# KiCad board SparkFun_GNSS_HAT+_panelized.kicad_pcb (continued)
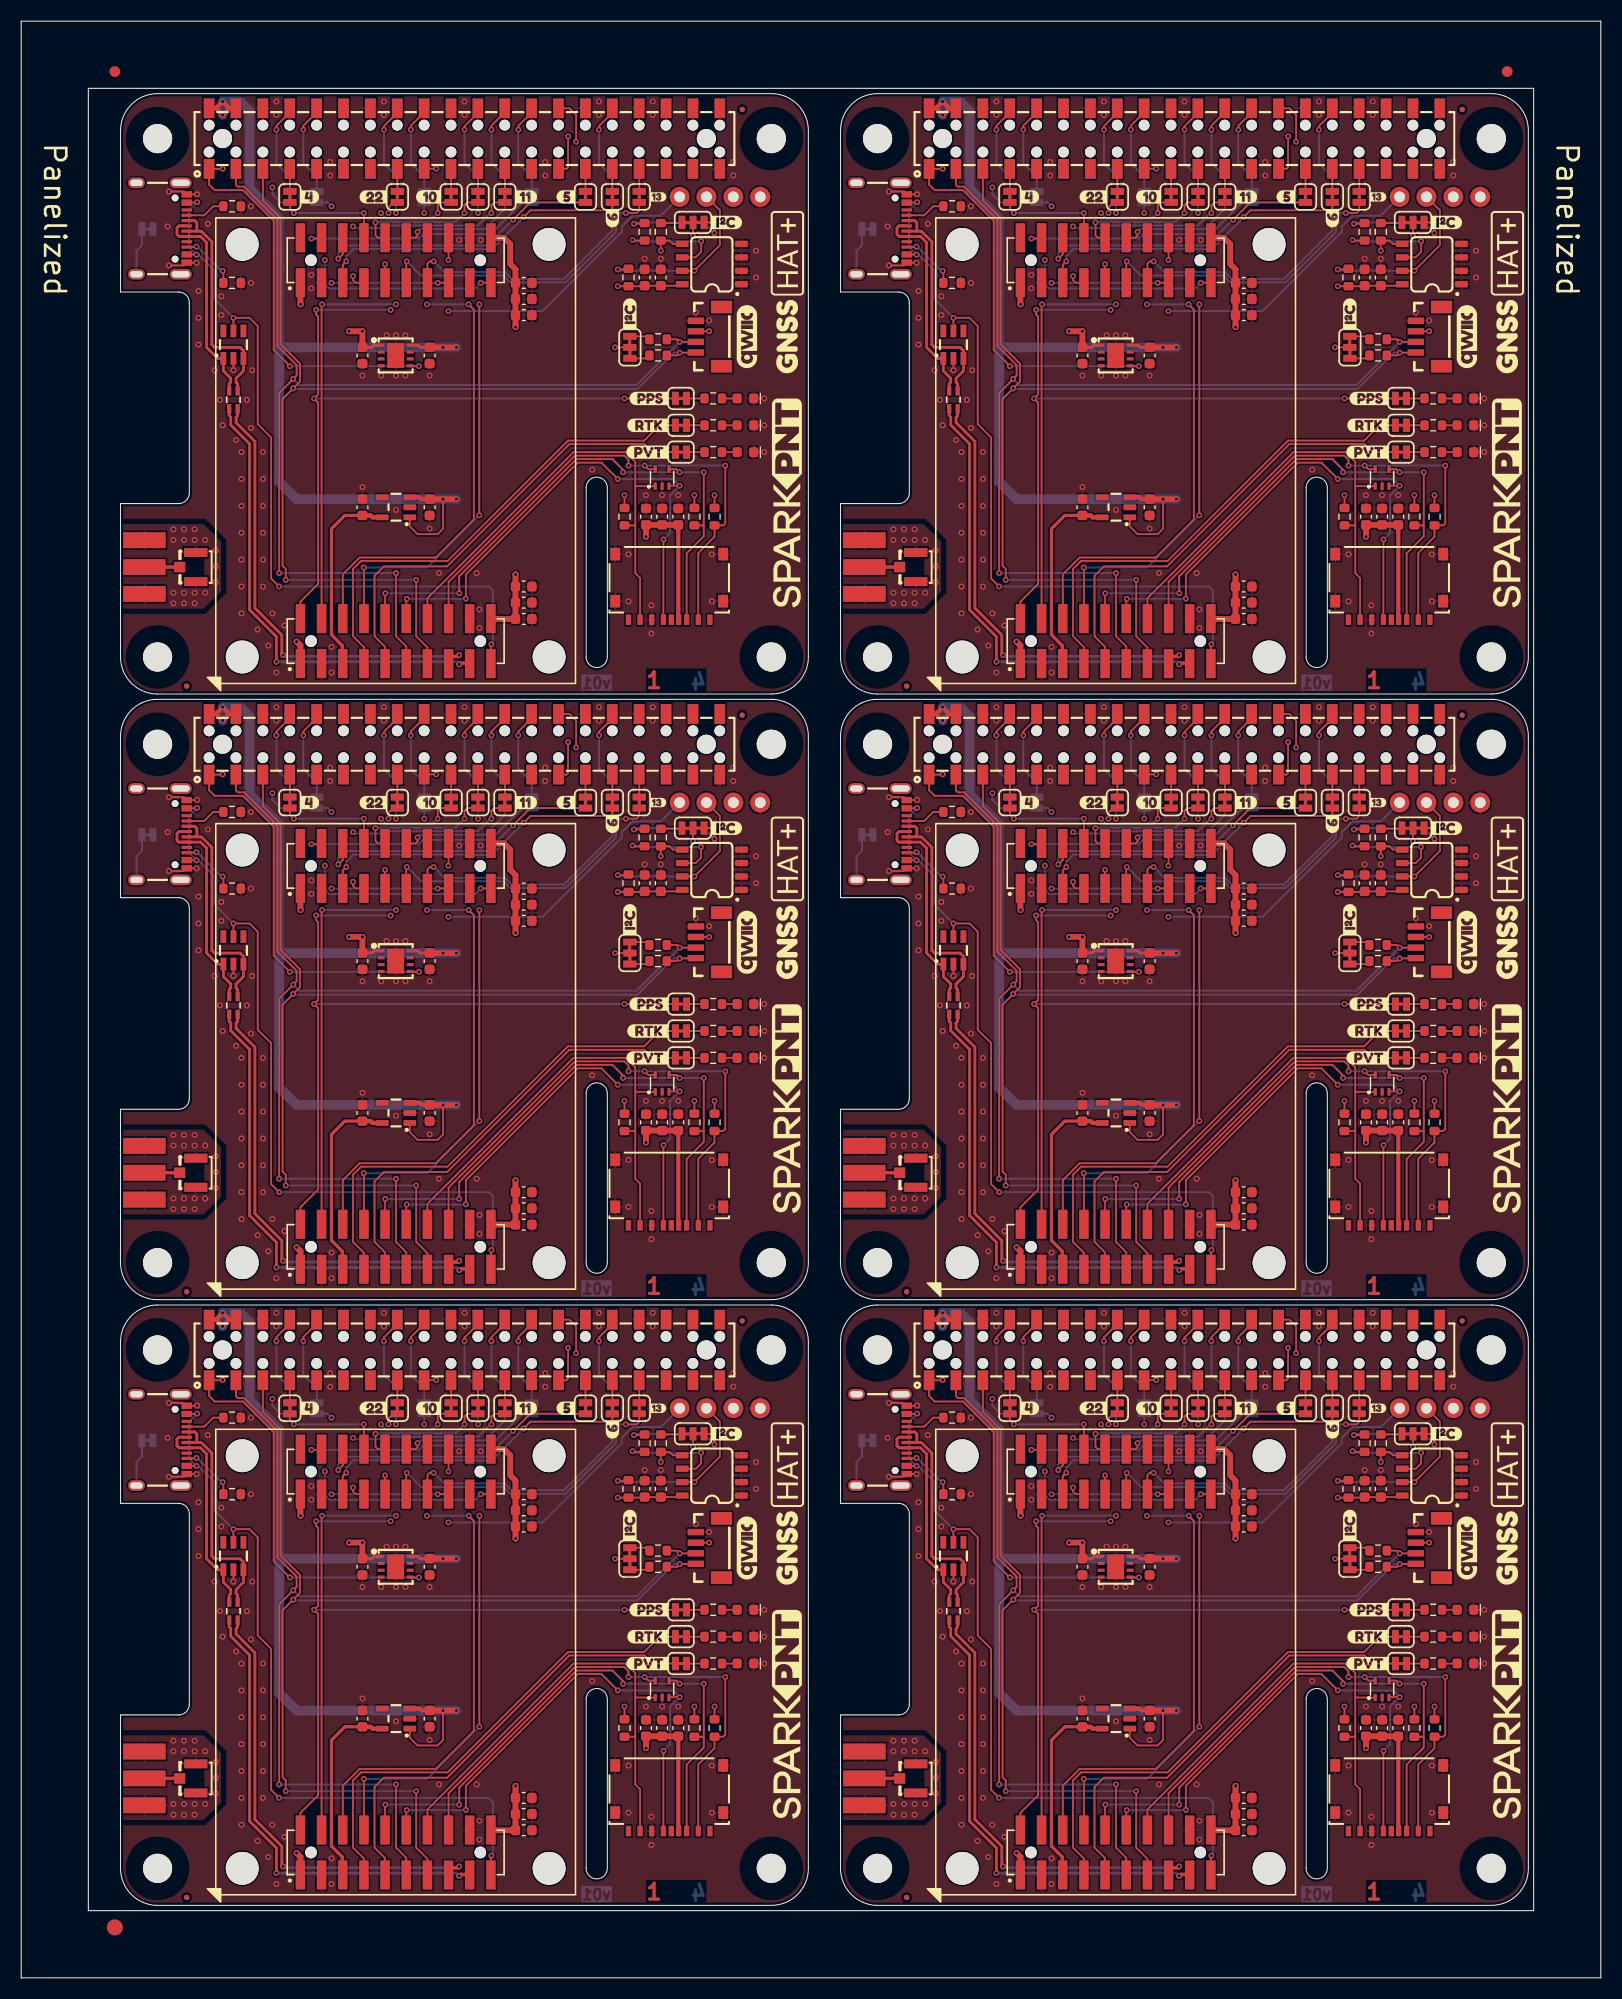
[diagram p0: board, top side]
## Library data of the parts (continued)
JP3 JP3#2 JP3#4-JP3#6 JP4 JP4#2-JP4#4 JP4#6 JP5 JP5#2-JP5#5 JP6 JP6#2-JP6#5 JP7 JP7#2-JP7#5 JP8 JP8#2-JP8#5 JP9 JP9#2-JP9#5 JP10 JP10#2 JP10#3 JP10#5 JP10#6 JP11 JP11#3-JP11#6 JP12 JP12#3-JP12#6 JP13 JP13#3-JP13#6 JP14 JP14#2-JP14#4 JP14#6 JP15 JP15#2 JP15#4-JP15#6 JP16 JP16#2 JP16#4-JP16#6 JP17 JP17#3-JP17#6 JP18 JP18#2 JP18#3 JP18#5 JP18#6 JP19 JP19#2 JP19#4-JP19#6 JP20 JP20#2 JP20#3 JP20#5 JP20#6 JP21 JP21#3-JP21#6 JP22 JP22#3-JP22#6 = -: Description: Solder Jumper, 2-pole, closed/bridged
JP3#3 JP4#5 JP5#6 JP6#6 JP7#6 JP8#6 JP9#6 JP10#4 JP11#2 JP12#2 JP13#2 JP14#5 JP15#3 JP16#3 JP17#2 JP18#4 JP19#3 JP20#4 JP21#2 JP22#2 = -: Description: Solder Jumper, 2-pole, closed/bridged; ki_fp_filters: SolderJumper*Bridged*
R1 R1#2 R1#3 R1#5 R1#6 R2 R2#2-R2#4 R2#6 R4#2-R4#6 R5 R5#3-R5#6 = -: Datasheet: https://www.vishay.com/docs/20035/dcrcwe3.pdf; Description: Resistor; PROD_ID: RES-08417
R1#4 R2#5 R4 R5#2 = -: Datasheet: https://www.vishay.com/docs/20035/dcrcwe3.pdf; Description: Resistor; PROD_ID: RES-08417; ki_fp_filters: R_*
R3 R3#2-R3#5 = -: Datasheet: https://www.vishay.com/docs/20035/dcrcwe3.pdf; Description: Resistor; PROD_ID: RES-07856
R3#6 = -: Datasheet: https://www.vishay.com/docs/20035/dcrcwe3.pdf; Description: Resistor; PROD_ID: RES-07856; ki_fp_filters: R_*
R6 R7#4 R8 = -: Datasheet: https://www.vishay.com/docs/20035/dcrcwe3.pdf; Description: Resistor; PROD_ID: RES-00824; ki_fp_filters: R_*
R6#2-R6#6 R7 R7#2 R7#3 R7#5 R7#6 R8#2-R8#6 = -: Datasheet: https://www.vishay.com/docs/20035/dcrcwe3.pdf; Description: Resistor; PROD_ID: RES-00824
R9 R9#2 R9#3 R9#5 R9#6 R10 R10#2-R10#5 = -: Datasheet: https://www.vishay.com/docs/20035/dcrcwe3.pdf; Description: Resistor; PROD_ID: RES-12083
R9#4 R10#6 = -: Datasheet: https://www.vishay.com/docs/20035/dcrcwe3.pdf; Description: Resistor; PROD_ID: RES-12083; ki_fp_filters: R_*
R11 R11#2 R11#3 R11#5 R11#6 R12 R12#2 R12#3 R12#5 R12#6 R13 R13#3-R13#6 = -: Datasheet: https://www.vishay.com/docs/20035/dcrcwe3.pdf; Description: Resistor; PROD_ID: RES-08272
R11#4 R12#4 R13#2 = -: Datasheet: https://www.vishay.com/docs/20035/dcrcwe3.pdf; Description: Resistor; PROD_ID: RES-08272; ki_fp_filters: R_*
ST1 ST1#3-ST1#6 ST2 ST2#3-ST2#6 ST3 ST3#2-ST3#5 ST4#2-ST4#6 ST5 ST5#3-ST5#6 ST6 ST6#2-ST6#5 ST7 ST7#2-ST7#4 ST7#6 ST8#2-ST8#6 = -: Description: Drill holes for mechanically mounting via screws, standoffs, etc.
ST1#2 ST2#2 ST3#6 ST4 ST5#2 ST6#6 ST7#5 ST8 = -: Description: Drill holes for mechanically mounting via screws, standoffs, etc.; ki_fp_filters: Fiducial*
TR1 TR1#2-TR1#6 = -: Datasheet: http://www.passivecomponent.com/wp-content/uploads/2018/10/RF-Filter.pdf; Description: USB Transformer; PROD_ID: COMP-19495
U1 U1#2 U1#4-U1#6 = -: Datasheet: https://www.onsemi.com/pdf/datasheet/cat24c512-d.pdf; Description: 512 Kb CMOS Serial EEPROM SOIC-8; PROD_ID: IC-14645
U1#3 = -: Datasheet: https://www.onsemi.com/pdf/datasheet/cat24c512-d.pdf; Description: 512 Kb CMOS Serial EEPROM SOIC-8; PROD_ID: IC-14645; ki_fp_filters: DIP*W7.62mm* SOIC*3.9x4.9mm* TSSOP*4.4x3mm*P0.65mm* DFN*3x2mm*P0.5mm*
U2 U2#2-U2#4 U2#6 = -: Datasheet: https://www.diodes.com/assets/Datasheets/AP7361C.pdf; Description: 1A low dropout linear regulator, with enable pin, 2.2-6.0V input, 3.3V output, UDFN-8; PROD_ID: VREG-14094; VMax: 6V; Ityp: 1.0A; IMax: 1.5A; Iq: 60µA
U2#5 = -: Datasheet: https://www.diodes.com/assets/Datasheets/AP7361C.pdf; Description: 1A low dropout linear regulator, with enable pin, 2.2-6.0V input, 3.3V output, UDFN-8; PROD_ID: VREG-14094; VMax: 6V; Ityp: 1.0A; IMax: 1.5A; Iq: 60µA; ki_fp_filters: SOT?23?5*
U3 U3#2-U3#4 U3#6 = -: Datasheet: https://www.st.com/content/ccc/resource/technical/document/datasheet/35/54/c9/ad/3b/07/4a/c3/CD00268765.pdf/files/CD00268765.pdf/jcr:content/translations/en.CD00268765.pdf; Description: 150mA low dropout linear regulator, 1.4uA quiescent current; PROD_ID: IC-15779; VMax: 5.5V; IMax: 150mA; Iq: 1.4µA
U3#5 = -: Datasheet: https://www.st.com/content/ccc/resource/technical/document/datasheet/35/54/c9/ad/3b/07/4a/c3/CD00268765.pdf/files/CD00268765.pdf/jcr:content/translations/en.CD00268765.pdf; Description: 150mA low dropout linear regulator, 1.4uA quiescent current; PROD_ID: IC-15779; VMax: 5.5V; IMax: 150mA; Iq: 1.4µA; ki_fp_filters: SOT?23?5*

## Footprints (pads in the part's own frame, mm; a bottom-side part is the same pattern mirrored in y, then rotated)
1x01
  round 1.88 hole 1.016: 1(0,0)
2x10_2.0mm_Male_Pins_Vertical_SMD
  round 1.1 hole 1.1 unplated: (0,8) (0,-8)
  rect 2.75x0.9 smd: 1(-2.125,9) 2(2.125,9) 3(-2.125,7) 4(2.125,7) 5(-2.125,5) 6(2.125,5) 7(-2.125,3) 8(2.125,3) 9(-2.125,1) 10(2.125,1) 11(-2.125,-1) 12(2.125,-1) 13(-2.125,-3) 14(2.125,-3) 15(-2.125,-5) 16(2.125,-5) 17(-2.125,-7) 18(2.125,-7) 19(-2.125,-9) 20(2.125,-9)
C_0603_1608Metric
  rrect 0.9x0.95 smd: 1(-0.775,0) 2(0.775,0)
Fiducial_0.5mm_Mask1mm
  round 0.5 smd: (0,0)
Fiducial_1.5mm_Mask3mm
  round 1.5 smd: (0,0)
Fiducial_1mm_Mask3mm
  round 1 smd: (0,0)
JST_SMD_1.0mm-4_Vertical
  rect 0.6x1.55 smd: 1(-1.5,-1.511) 2(-0.5,-1.511) 3(0.5,-1.511) 4(1.5,-1.511)
  rect 1.2x2 smd: NC1(-2.8,0.914) NC2(2.8,0.914)
Jumper_2_NC_Trace
  rect 0.66x1.27 smd: 1(-0.521,0) 2(0.521,0)
Jumper_3_NC-2_Trace
  rect 0.66x1.27 smd: 1(-1.041,0) 2(0,0) 3(1.041,0)
LED_0603_1608Metric_Blue
  rrect 0.875x0.95 smd: 1(-0.787,0) 2(0.787,0)
microSD_Friction_Fit_Common
  rect 0.5x1 smd: 1(3.85,-3.975) 2(2.75,-3.975) 3(1.65,-3.975) 4(0.9,-3.975) 5(-0.55,-3.975) 6(-1.65,-3.975) 7(-2.75,-3.975) 8(-3.85,-3.975) 9(0.2,-3.975)
  rect 0.95x1.2 smd: 10(-5.1,2.225) 10(-5.1,-2.225) 10(5.1,2.225) 10(5.1,-2.225)
R_0603_1608Metric
  rrect 0.8x0.95 smd: 1(-0.825,0) 2(0.825,0)
Raspberry_Pi_Shield_Top_Entry_No_Mounting_Holes
  round 1.02 hole 1.02 unplated: (-1.27,24.13) (-1.27,21.59) (-1.27,19.05) (-1.27,16.51) (-1.27,13.97) (-1.27,11.43) (-1.27,8.89) (-1.27,6.35) (-1.27,3.81) (-1.27,1.27) (-1.27,-1.27) (-1.27,-3.81) (-1.27,-6.35) (-1.27,-8.89) (-1.27,-11.43) (-1.27,-13.97) (-1.27,-16.51) (-1.27,-19.05) (-1.27,-21.59) (-1.27,-24.13) (1.27,24.13) (1.27,21.59) (1.27,19.05) (1.27,16.51) (1.27,13.97) (1.27,11.43) (1.27,8.89) (1.27,6.35) (1.27,3.81) (1.27,1.27) (1.27,-1.27) (1.27,-3.81) (1.27,-6.35) (1.27,-8.89) (1.27,-11.43) (1.27,-13.97) (1.27,-16.51) (1.27,-19.05) (1.27,-21.59) (1.27,-24.13)
  round 1.8 hole 1.8 unplated: (0,22.86) (0,-22.86)
  rect 1.87x1.02 smd: 1(-2.865,24.13) 2(2.865,24.13) 3(-2.865,21.59) 4(2.865,21.59) 5(-2.865,19.05) 6(2.865,19.05) 7(-2.865,16.51) 8(2.865,16.51) 9(-2.865,13.97) 10(2.865,13.97) 11(-2.865,11.43) 12(2.865,11.43) 13(-2.865,8.89) 14(2.865,8.89) 15(-2.865,6.35) 16(2.865,6.35) 17(-2.865,3.81) 18(2.865,3.81) 19(-2.865,1.27) 20(2.865,1.27) 21(-2.865,-1.27) 22(2.865,-1.27) 23(-2.865,-3.81) 24(2.865,-3.81) 25(-2.865,-6.35) 26(2.865,-6.35) 27(-2.865,-8.89) 28(2.865,-8.89) 29(-2.865,-11.43) 30(2.865,-11.43) 31(-2.865,-13.97) 32(2.865,-13.97) 33(-2.865,-16.51) 34(2.865,-16.51) 35(-2.865,-19.05) 36(2.865,-19.05) 37(-2.865,-21.59) 38(2.865,-21.59) 39(-2.865,-24.13) 40(2.865,-24.13)
RFCMF1220100M4T
  rect 0.9x0.4 smd: 1(-0.85,0.4) 2(0.85,0.4) 3(-0.85,-0.4) 4(0.85,-0.4)
SMA_Edge
  rect 1.5x4 smd: 1(0,0) 2(-2.54,0) 2(2.54,0)
  rect 1.5x4 smd far side: 2(-2.54,0) 2(2.54,0)
SO-8
  rect 1.2x0.6 smd: 1(-2.8,1.905) 2(-2.8,0.635) 3(-2.8,-0.635) 4(-2.8,-1.905) 5(2.8,-1.905) 6(2.8,-0.635) 7(2.8,0.635) 8(2.8,1.905)
SOT23-5
  rect 1.2x0.55 smd: 1(-1.3,0.95) 2(-1.3,0) 3(-1.3,-0.95) 4(1.3,-0.95) 5(1.3,0.95)
SOT23-6
  rect 1.2x0.55 smd: 1(-1.3,0.95) 2(-1.3,0) 3(-1.3,-0.95) 4(1.3,-0.95) 5(1.3,0) 6(1.3,0.95)
SOT-353
  rect 0.7x0.3 smd: 1(-0.8,0.65) 2(-0.8,0) 3(-0.8,-0.65) 4(0.8,-0.65) 5(0.8,0.65)
Standoff
  round 3.1 hole 3.1 unplated: (0,0)
Standoff_Raspberry-Pi_HAT+
  round 2.75 hole 2.75 unplated: (0,0)
U.FL
  rect 1.05x1 smd: 1(1.525,0)
  rect 2.2x0.85 smd: 2(0,1.375) 2(0,-1.375)
UDFN-8
  rect 0.65x0.3 smd: 1(-1.375,0.975) 2(-1.375,0.325) 3(-1.375,-0.325) 4(-1.375,-0.975) 5(1.375,-0.975) 6(1.375,-0.325) 7(1.375,0.325) 8(1.375,0.975)
  rect 1.6x2.35 smd: 9(0,0)
USB-C_16
  round 0.65 hole 0.65 unplated: (-2.89,-1.445) (2.89,-1.445)
  rect 0.3x1 smd: A5(-1.25,-0.34) A6(-0.25,-0.34) A7(0.25,-0.34) A8(1.25,-0.34) B5(1.75,-0.34) B6(0.75,-0.34) B7(-0.75,-0.34) B8(-1.75,-0.34)
  rect 0.6x1 smd: GND(-3.225,-0.34) GND(3.225,-0.34) VBUS(-2.45,-0.34) VBUS(2.45,-0.34)
  oval 1x1.6 hole 0.6x1.2: NC1(-4.318,-5.095) S(4.318,-5.095)
  oval 1x2.1 hole 0.6x1.7: NC2(-4.318,-0.915) NC3(4.318,-0.915)

## Nets
3.3V: 3V3.1.1 3V3.1#2.1 3V3.1#3.1 3V3.1#4.1 3V3.1#5.1 3V3.1#6.1 C1.1 C1#2.1 C1#3.1 C1#4.1 C1#5.1 C1#6.1 C3.2 C3#2.2 C3#3.2 C3#4.2 C3#5.2 C3#6.2 C6.1 C6#2.1 C6#3.1 C6#4.1 C6#5.1 C6#6.1 C7.1 C7#2.1 C7#3.1 C7#4.1 C7#5.1 C7#6.1 C8.1 C8#2.1 C8#3.1 C8#4.1 C8#5.1 C8#6.1 C9.2 C9#2.2 C9#3.2 C9#4.2 C9#5.2 C9#6.2 C10.1 C10#2.1 C10#3.1 C10#4.1 C10#5.1 C10#6.1 C11.2 C11#2.2 C11#3.2 C11#4.2 C11#5.2 C11#6.2 C12.1 C12#2.1 C12#3.1 C12#4.1 C12#5.1 C12#6.1 C13.1 C13#2.1 C13#3.1 C13#4.1 C13#5.1 C13#6.1 C14.2 C14#2.2 C14#3.2 C14#4.2 C14#5.2 C14#6.2 C15.1 C15#2.1 C15#3.1 C15#4.1 C15#5.1 C15#6.1 J2.1 J2.20 J2#2.1 J2#2.20 J2#3.1 J2#3.20 J2#4.1 J2#4.20 J2#5.1 J2#5.20 J2#6.1 J2#6.20 J4.1 J4.20 J4#2.1 J4#2.20 J4#3.1 J4#3.20 J4#4.1 J4#4.20 J4#5.1 J4#5.20 J4#6.1 J4#6.20 J5.4 J5#2.4 J5#3.4 J5#4.4 J5#5.4 J5#6.4 J8.2 J8#2.2 J8#3.2 J8#4.2 J8#5.2 J8#6.2 JP1.2 JP1#2.2 JP1#3.2 JP1#4.2 JP1#5.2 JP1#6.2 JP2.2 JP2#2.2 JP2#3.2 JP2#4.2 JP2#5.2 JP2#6.2 R3.2 R3#2.2 R3#3.2 R3#4.2 R3#5.2 R3#6.2 R6.2 R6#2.2 R6#3.2 R6#4.2 R6#5.2 R6#6.2 R7.2 R7#2.2 R7#3.2 R7#4.2 R7#5.2 R7#6.2 R8.2 R8#2.2 R8#3.2 R8#4.2 R8#5.2 R8#6.2 U1.8 U1#2.8 U1#3.8 U1#4.8 U1#5.8 U1#6.8 U2.1 U2#2.1 U2#3.1 U2#4.1 U2#5.1 U2#6.1
5V: C2.2 C2#2.2 C2#3.2 C2#4.2 C2#5.2 C2#6.2 C4.2 C4#2.2 C4#3.2 C4#4.2 C4#5.2 C4#6.2 J1.2 J1.4 J1#2.2 J1#2.4 J1#3.2 J1#3.4 J1#4.2 J1#4.4 J1#5.2 J1#5.4 J1#6.2 J1#6.4 U2.8 U2#2.8 U2#3.8 U2#4.8 U2#5.8 U2#6.8 U3.1 U3.3 U3#2.1 U3#2.3 U3#3.1 U3#3.3 U3#4.1 U3#4.3 U3#5.1 U3#5.3 U3#6.1 U3#6.3
GND: C1.2 C1#2.2 C1#3.2 C1#4.2 C1#5.2 C1#6.2 C2.1 C2#2.1 C2#3.1 C2#4.1 C2#5.1 C2#6.1 C3.1 C3#2.1 C3#3.1 C3#4.1 C3#5.1 C3#6.1 C4.1 C4#2.1 C4#3.1 C4#4.1 C4#5.1 C4#6.1 C5.1 C5#2.1 C5#3.1 C5#4.1 C5#5.1 C5#6.1 C6.2 C6#2.2 C6#3.2 C6#4.2 C6#5.2 C6#6.2 C7.2 C7#2.2 C7#3.2 C7#4.2 C7#5.2 C7#6.2 C8.2 C8#2.2 C8#3.2 C8#4.2 C8#5.2 C8#6.2 C9.1 C9#2.1 C9#3.1 C9#4.1 C9#5.1 C9#6.1 C10.2 C10#2.2 C10#3.2 C10#4.2 C10#5.2 C10#6.2 C11.1 C11#2.1 C11#3.1 C11#4.1 C11#5.1 C11#6.1 C12.2 C12#2.2 C12#3.2 C12#4.2 C12#5.2 C12#6.2 C13.2 C13#2.2 C13#3.2 C13#4.2 C13#5.2 C13#6.2 C14.1 C14#2.1 C14#3.1 C14#4.1 C14#5.1 C14#6.1 C15.2 C15#2.2 C15#3.2 C15#4.2 C15#5.2 C15#6.2 D1.2 D1#2.2 D1#3.2 D1#4.2 D1#5.2 D1#6.2 D2.2 D2#2.2 D2#3.2 D2#4.2 D2#5.2 D2#6.2 D3.1 D3#2.1 D3#3.1 D3#4.1 D3#5.1 D3#6.1 D4.1 D4#2.1 D4#3.1 D4#4.1 D4#5.1 D4#6.1 D5.1 D5#2.1 D5#3.1 D5#4.1 D5#5.1 D5#6.1 GND.1.1 GND.1#2.1 GND.1#3.1 GND.1#4.1 GND.1#5.1 GND.1#6.1 J1.6 J1.9 J1.14 J1.20 J1.25 J1.30 J1.34 J1.39 J1#2.6 J1#2.9 J1#2.14 J1#2.20 J1#2.25 J1#2.30 J1#2.34 J1#2.39 J1#3.6 J1#3.9 J1#3.14 J1#3.20 J1#3.25 J1#3.30 J1#3.34 J1#3.39 J1#4.6 J1#4.9 J1#4.14 J1#4.20 J1#4.25 J1#4.30 J1#4.34 J1#4.39 J1#5.6 J1#5.9 J1#5.14 J1#5.20 J1#5.25 J1#5.30 J1#5.34 J1#5.39 J1#6.6 J1#6.9 J1#6.14 J1#6.20 J1#6.25 J1#6.30 J1#6.34 J1#6.39 J2.3 J2.18 J2#2.3 J2#2.18 J2#3.3 J2#3.18 J2#4.3 J2#4.18 J2#5.3 J2#5.18 J2#6.3 J2#6.18 J3.2 J3#2.2 J3#3.2 J3#4.2 J3#5.2 J3#6.2 J4.3 J4.18 J4#2.3 J4#2.18 J4#3.3 J4#3.18 J4#4.3 J4#4.18 J4#5.3 J4#5.18 J4#6.3 J4#6.18 J5.6 J5.10 J5#2.6 J5#2.10 J5#3.6 J5#3.10 J5#4.6 J5#4.10 J5#5.6 J5#5.10 J5#6.6 J5#6.10 J6.GND J6#2.GND J6#3.GND J6#4.GND J6#5.GND J6#6.GND J7.2 J7#2.2 J7#3.2 J7#4.2 J7#5.2 J7#6.2 J8.1 J8#2.1 J8#3.1 J8#4.1 J8#5.1 J8#6.1 JP3.1 JP3#2.1 JP3#3.1 JP3#4.1 JP3#5.1 JP3#6.1 R9.1 R9#2.1 R9#3.1 R9#4.1 R9#5.1 R9#6.1 R10.1 R10#2.1 R10#3.1 R10#4.1 R10#5.1 R10#6.1 U1.1 U1.2 U1.3 U1.4 U1#2.1 U1#2.2 U1#2.3 U1#2.4 U1#3.1 U1#3.2 U1#3.3 U1#3.4 U1#4.1 U1#4.2 U1#4.3 U1#4.4 U1#5.1 U1#5.2 U1#5.3 U1#5.4 U1#6.1 U1#6.2 U1#6.3 U1#6.4 U2.4 U2.9 U2#2.4 U2#2.9 U2#3.4 U2#3.9 U2#4.4 U2#4.9 U2#5.4 U2#5.9 U2#6.4 U2#6.9 U3.2 U3#2.2 U3#3.2 U3#4.2 U3#5.2 U3#6.2
CTS2: J4.7 J4#2.7 J4#3.7 J4#4.7 J4#5.7 J4#6.7 JP17.2 JP17#2.2 JP17#3.2 JP17#4.2 JP17#5.2 JP17#6.2
CTS3: J4.4 J4#2.4 J4#3.4 J4#4.4 J4#5.4 J4#6.4 JP13.2 JP13#2.2 JP13#3.2 JP13#4.2 JP13#5.2 JP13#6.2
D+: J2.17 J2#2.17 J2#3.17 J2#4.17 J2#5.17 J2#6.17 TR1.4 TR1#2.4 TR1#3.4 TR1#4.4 TR1#5.4 TR1#6.4
D-: J2.15 J2#2.15 J2#3.15 J2#4.15 J2#5.15 J2#6.15 TR1.2 TR1#2.2 TR1#3.2 TR1#4.2 TR1#5.2 TR1#6.2
EVENTA: J2.6 J2#2.6 J2#3.6 J2#4.6 J2#5.6 J2#6.6 JP8.1 JP8#2.1 JP8#3.1 JP8#4.1 JP8#5.1 JP8#6.1
EVENTB: J2.8 J2#2.8 J2#3.8 J2#4.8 J2#5.8 J2#6.8 JP9.1 JP9#2.1 JP9#3.1 JP9#4.1 JP9#5.1 JP9#6.1
ID_SC: J1.28 J1#2.28 J1#3.28 J1#4.28 J1#5.28 J1#6.28 R1.1 R1#2.1 R1#3.1 R1#4.1 R1#5.1 R1#6.1 U1.6 U1#2.6 U1#3.6 U1#4.6 U1#5.6 U1#6.6
ID_SD: J1.27 J1#2.27 J1#3.27 J1#4.27 J1#5.27 J1#6.27 R2.1 R2#2.1 R2#3.1 R2#4.1 R2#5.1 R2#6.1 U1.5 U1#2.5 U1#3.5 U1#4.5 U1#5.5 U1#6.5
Pi_3V3: J1.1 J1.17 J1#2.1 J1#2.17 J1#3.1 J1#3.17 J1#4.1 J1#4.17 J1#5.1 J1#5.17 J1#6.1 J1#6.17 U2.5 U2#2.5 U2#3.5 U2#4.5 U2#5.5 U2#6.5
PPS1: J2.2 J2#2.2 J2#3.2 J2#4.2 J2#5.2 J2#6.2 JP6.1 JP6#2.1 JP6#3.1 JP6#4.1 JP6#5.1 JP6#6.1 JP22.1 JP22#2.1 JP22#3.1 JP22#4.1 JP22#5.1 JP22#6.1
PPS2: J2.4 J2#2.4 J2#3.4 J2#4.4 J2#5.4 J2#6.4 JP7.1 JP7#2.1 JP7#3.1 JP7#4.1 JP7#5.1 JP7#6.1
PVT_LED: J2.9 J2#2.9 J2#3.9 J2#4.9 J2#5.9 J2#6.9 JP21.1 JP21#2.1 JP21#3.1 JP21#4.1 JP21#5.1 JP21#6.1
RTK_LED: J2.7 J2#2.7 J2#3.7 J2#4.7 J2#5.7 J2#6.7 JP20.1 JP20#2.1 JP20#3.1 JP20#4.1 JP20#5.1 JP20#6.1
RTS2: J4.9 J4#2.9 J4#3.9 J4#4.9 J4#5.9 J4#6.9 JP16.2 JP16#2.2 JP16#3.2 JP16#4.2 JP16#5.2 JP16#6.2
RTS3: J4.5 J4#2.5 J4#3.5 J4#4.5 J4#5.5 J4#6.5 JP12.2 JP12#2.2 JP12#3.2 JP12#4.2 JP12#5.2 JP12#6.2
RXD1: J4.19 J4#2.19 J4#3.19 J4#4.19 J4#5.19 J4#6.19 JP4.1 JP4#2.1 JP4#3.1 JP4#4.1 JP4#5.1 JP4#6.1
RXD2: J4.12 J4#2.12 J4#3.12 J4#4.12 J4#5.12 J4#6.12 JP14.2 JP14#2.2 JP14#3.2 JP14#4.2 JP14#5.2 JP14#6.2
RXD3: J4.8 J4#2.8 J4#3.8 J4#4.8 J4#5.8 J4#6.8 JP10.2 JP10#2.2 JP10#3.2 JP10#4.2 JP10#5.2 JP10#6.2
RXD4: J4.13 J4#2.13 J4#3.13 J4#4.13 J4#5.13 J4#6.13 JP18.2 JP18#2.2 JP18#3.2 JP18#4.2 JP18#5.2 JP18#6.2
SCL: J1.5 J1#2.5 J1#3.5 J1#4.5 J1#5.5 J1#6.5 J2.13 J2#2.13 J2#3.13 J2#4.13 J2#5.13 J2#6.13 J8.4 J8#2.4 J8#3.4 J8#4.4 J8#5.4 J8#6.4 R5.1 R5#2.1 R5#3.1 R5#4.1 R5#5.1 R5#6.1
SD_CLK: D2.3 D2#2.3 D2#3.3 D2#4.3 D2#5.3 D2#6.3 J2.12 J2#2.12 J2#3.12 J2#4.12 J2#5.12 J2#6.12 J5.5 J5#2.5 J5#3.5 J5#4.5 J5#5.5 J5#6.5
SD_CMD: D2.4 D2#2.4 D2#3.4 D2#4.4 D2#5.4 D2#6.4 J2.10 J2#2.10 J2#3.10 J2#4.10 J2#5.10 J2#6.10 J5.3 J5#2.3 J5#3.3 J5#4.3 J5#5.3 J5#6.3 R7.1 R7#2.1 R7#3.1 R7#4.1 R7#5.1 R7#6.1
SD_DAT0: D2.1 D2#2.1 D2#3.1 D2#4.1 D2#5.1 D2#6.1 J2.14 J2#2.14 J2#3.14 J2#4.14 J2#5.14 J2#6.14 J5.7 J5#2.7 J5#3.7 J5#4.7 J5#5.7 J5#6.7 R8.1 R8#2.1 R8#3.1 R8#4.1 R8#5.1 R8#6.1
SD_DAT3: D2.5 D2#2.5 D2#3.5 D2#4.5 D2#5.5 D2#6.5 J2.16 J2#2.16 J2#3.16 J2#4.16 J2#5.16 J2#6.16 J5.2 J5#2.2 J5#3.2 J5#4.2 J5#5.2 J5#6.2 R6.1 R6#2.1 R6#3.1 R6#4.1 R6#5.1 R6#6.1
SDA: J1.3 J1#2.3 J1#3.3 J1#4.3 J1#5.3 J1#6.3 J2.11 J2#2.11 J2#3.11 J2#4.11 J2#5.11 J2#6.11 J8.3 J8#2.3 J8#3.3 J8#4.3 J8#5.3 J8#6.3 R4.1 R4#2.1 R4#3.1 R4#4.1 R4#5.1 R4#6.1
TXD1: J4.15 J4#2.15 J4#3.15 J4#4.15 J4#5.15 J4#6.15 JP5.1 JP5#2.1 JP5#3.1 JP5#4.1 JP5#5.1 JP5#6.1
TXD2: J4.10 J4#2.10 J4#3.10 J4#4.10 J4#5.10 J4#6.10 JP15.2 JP15#2.2 JP15#3.2 JP15#4.2 JP15#5.2 JP15#6.2
TXD3: J4.6 J4#2.6 J4#3.6 J4#4.6 J4#5.6 J4#6.6 JP11.2 JP11#2.2 JP11#3.2 JP11#4.2 JP11#5.2 JP11#6.2
TXD4: J4.11 J4#2.11 J4#3.11 J4#4.11 J4#5.11 J4#6.11 JP19.2 JP19#2.2 JP19#3.2 JP19#4.2 JP19#5.2 JP19#6.2
VBACKUP: C5.2 C5#2.2 C5#3.2 C5#4.2 C5#5.2 C5#6.2 J2.5 J2#2.5 J2#3.5 J2#4.5 J2#5.5 J2#6.5 U3.5 U3#2.5 U3#3.5 U3#4.5 U3#5.5 U3#6.5
VUSB: D1.5 D1#2.5 D1#3.5 D1#4.5 D1#5.5 D1#6.5 J2.19 J2#2.19 J2#3.19 J2#4.19 J2#5.19 J2#6.19 J6.VBUS J6#2.VBUS J6#3.VBUS J6#4.VBUS J6#5.VBUS J6#6.VBUS
Net-(D1-I/O1): D1.1 D1#2.1 D1#3.1 D1#4.1 D1#5.1 D1#6.1 J6.A6 J6.B6 J6#2.A6 J6#2.B6 J6#3.A6 J6#3.B6 J6#4.A6 J6#4.B6 J6#5.A6 J6#5.B6 J6#6.A6 J6#6.B6 TR1.3 TR1#2.3 TR1#3.3 TR1#4.3 TR1#5.3 TR1#6.3
Net-(D1-I/O2): D1.3 D1#2.3 D1#3.3 D1#4.3 D1#5.3 D1#6.3 J6.A7 J6.B7 J6#2.A7 J6#2.B7 J6#3.A7 J6#3.B7 J6#4.A7 J6#4.B7 J6#5.A7 J6#5.B7 J6#6.A7 J6#6.B7 TR1.1 TR1#2.1 TR1#3.1 TR1#4.1 TR1#5.1 TR1#6.1
Net-(D3-A): D3.2 D3#2.2 D3#3.2 D3#4.2 D3#5.2 D3#6.2 R11.1 R11#2.1 R11#3.1 R11#4.1 R11#5.1 R11#6.1
Net-(D4-A): D4.2 D4#2.2 D4#3.2 D4#4.2 D4#5.2 D4#6.2 R12.1 R12#2.1 R12#3.1 R12#4.1 R12#5.1 R12#6.1
Net-(D5-A): D5.2 D5#2.2 D5#3.2 D5#4.2 D5#5.2 D5#6.2 R13.1 R13#2.1 R13#3.1 R13#4.1 R13#5.1 R13#6.1
Net-(J1-GCLK0/GPIO4): J1.7 J1#2.7 J1#3.7 J1#4.7 J1#5.7 J1#6.7 JP10.1 JP10#2.1 JP10#3.1 JP10#4.1 JP10#5.1 JP10#6.1
Net-(J1-GCLK1/GPIO5): J1.29 J1#2.29 J1#3.29 J1#4.29 J1#5.29 J1#6.29 JP11.1 JP11#2.1 JP11#3.1 JP11#4.1 JP11#5.1 JP11#6.1
Net-(J1-GCLK2/GPIO6): J1.31 J1#2.31 J1#3.31 J1#4.31 J1#5.31 J1#6.31 JP12.1 JP12#2.1 JP12#3.1 JP12#4.1 JP12#5.1 JP12#6.1
Net-(J1-GPIO14/TXD): J1.8 J1#2.8 J1#3.8 J1#4.8 J1#5.8 J1#6.8 JP4.2 JP4#2.2 JP4#3.2 JP4#4.2 JP4#5.2 JP4#6.2
Net-(J1-GPIO15/RXD): J1.10 J1#2.10 J1#3.10 J1#4.10 J1#5.10 J1#6.10 JP5.2 JP5#2.2 JP5#3.2 JP5#4.2 JP5#5.2 JP5#6.2
Net-(J1-GPIO22): J1.15 J1#2.15 J1#3.15 J1#4.15 J1#5.15 J1#6.15 JP6.2 JP6#2.2 JP6#3.2 JP6#4.2 JP6#5.2 JP6#6.2
Net-(J1-GPIO23): J1.16 J1#2.16 J1#3.16 J1#4.16 J1#5.16 J1#6.16 JP7.2 JP7#2.2 JP7#3.2 JP7#4.2 JP7#5.2 JP7#6.2
Net-(J1-GPIO24): J1.18 J1#2.18 J1#3.18 J1#4.18 J1#5.18 J1#6.18 JP8.2 JP8#2.2 JP8#3.2 JP8#4.2 JP8#5.2 JP8#6.2
Net-(J1-GPIO25): J1.22 J1#2.22 J1#3.22 J1#4.22 J1#5.22 J1#6.22 JP9.2 JP9#2.2 JP9#3.2 JP9#4.2 JP9#5.2 JP9#6.2
Net-(J1-PICO0/GPIO10): J1.19 J1#2.19 J1#3.19 J1#4.19 J1#5.19 J1#6.19 JP16.1 JP16#2.1 JP16#3.1 JP16#4.1 JP16#5.1 JP16#6.1
Net-(J1-POCI0/GPIO9): J1.21 J1#2.21 J1#3.21 J1#4.21 J1#5.21 J1#6.21 JP15.1 JP15#2.1 JP15#3.1 JP15#4.1 JP15#5.1 JP15#6.1
Net-(J1-PWM0/GPIO12): J1.32 J1#2.32 J1#3.32 J1#4.32 J1#5.32 J1#6.32 JP18.1 JP18#2.1 JP18#3.1 JP18#4.1 JP18#5.1 JP18#6.1
Net-(J1-PWM1/GPIO13): J1.33 J1#2.33 J1#3.33 J1#4.33 J1#5.33 J1#6.33 JP19.1 JP19#2.1 JP19#3.1 JP19#4.1 JP19#5.1 JP19#6.1
Net-(J1-SCLK0/GPIO11): J1.23 J1#2.23 J1#3.23 J1#4.23 J1#5.23 J1#6.23 JP17.1 JP17#2.1 JP17#3.1 JP17#4.1 JP17#5.1 JP17#6.1
Net-(J1-~{CE0}/GPIO8): J1.24 J1#2.24 J1#3.24 J1#4.24 J1#5.24 J1#6.24 JP14.1 JP14#2.1 JP14#3.1 JP14#4.1 JP14#5.1 JP14#6.1
Net-(J1-~{CE1}/GPIO7): J1.26 J1#2.26 J1#3.26 J1#4.26 J1#5.26 J1#6.26 JP13.1 JP13#2.1 JP13#3.1 JP13#4.1 JP13#5.1 JP13#6.1
Net-(J3-In): J3.1 J3#2.1 J3#3.1 J3#4.1 J3#5.1 J3#6.1 J7.1 J7#2.1 J7#3.1 J7#4.1 J7#5.1 J7#6.1
Net-(J4-Pin_2-Pad16): J4.16 J4#2.16 J4#3.16 J4#4.16 J4#5.16 J4#6.16 RST.1.1 RST.1#2.1 RST.1#3.1 RST.1#4.1 RST.1#5.1 RST.1#6.1
Net-(J6-CC1): J6.A5 J6#2.A5 J6#3.A5 J6#4.A5 J6#5.A5 J6#6.A5 R9.2 R9#2.2 R9#3.2 R9#4.2 R9#5.2 R9#6.2
Net-(J6-CC2): J6.B5 J6#2.B5 J6#3.B5 J6#4.B5 J6#5.B5 J6#6.B5 R10.2 R10#2.2 R10#3.2 R10#4.2 R10#5.2 R10#6.2
Net-(J6-SHIELD): J6.S J6#2.S J6#3.S J6#4.S J6#5.S J6#6.S JP3.2 JP3#2.2 JP3#3.2 JP3#4.2 JP3#5.2 JP3#6.2
Net-(JP1-A): JP1.1 JP1#2.1 JP1#3.1 JP1#4.1 JP1#5.1 JP1#6.1 R5.2 R5#2.2 R5#3.2 R5#4.2 R5#5.2 R5#6.2
Net-(JP1-C): JP1.3 JP1#2.3 JP1#3.3 JP1#4.3 JP1#5.3 JP1#6.3 R4.2 R4#2.2 R4#3.2 R4#4.2 R4#5.2 R4#6.2
Net-(JP2-A): JP2.1 JP2#2.1 JP2#3.1 JP2#4.1 JP2#5.1 JP2#6.1 R1.2 R1#2.2 R1#3.2 R1#4.2 R1#5.2 R1#6.2
Net-(JP2-C): JP2.3 JP2#2.3 JP2#3.3 JP2#4.3 JP2#5.3 JP2#6.3 R2.2 R2#2.2 R2#3.2 R2#4.2 R2#5.2 R2#6.2
Net-(JP20-B): JP20.2 JP20#2.2 JP20#3.2 JP20#4.2 JP20#5.2 JP20#6.2 R11.2 R11#2.2 R11#3.2 R11#4.2 R11#5.2 R11#6.2
Net-(JP21-B): JP21.2 JP21#2.2 JP21#3.2 JP21#4.2 JP21#5.2 JP21#6.2 R12.2 R12#2.2 R12#3.2 R12#4.2 R12#5.2 R12#6.2
Net-(JP22-B): JP22.2 JP22#2.2 JP22#3.2 JP22#4.2 JP22#5.2 JP22#6.2 R13.2 R13#2.2 R13#3.2 R13#4.2 R13#5.2 R13#6.2
Net-(U1-WP): R3.1 R3#2.1 R3#3.1 R3#4.1 R3#5.1 R3#6.1 U1.7 U1#2.7 U1#3.7 U1#4.7 U1#5.7 U1#6.7 WP.1.1 WP.1#2.1 WP.1#3.1 WP.1#4.1 WP.1#5.1 WP.1#6.1

Pads without a net: D1 4 6; D1#2 4 6; D1#3 4 6; D1#4 4 6; D1#5 4 6; D1#6 4 6; J1 11 12 13 35 36 37 38 40; J1#2 11 12 13 35 36 37 38 40; J1#3 11 12 13 35 36 37 38 40; J1#4 11 12 13 35 36 37 38 40; J1#5 11 12 13 35 36 37 38 40; J1#6 11 12 13 35 36 37 38 40; J4 2 14 17; J4#2 2 14 17; J4#3 2 14 17; J4#4 2 14 17; J4#5 2 14 17; J4#6 2 14 17; J5 1 8 9; J5#2 1 8 9; J5#3 1 8 9; J5#4 1 8 9; J5#5 1 8 9; J5#6 1 8 9; J6 A8 B8 NC1 NC2 NC3; J6#2 A8 B8 NC1 NC2 NC3; J6#3 A8 B8 NC1 NC2 NC3; J6#4 A8 B8 NC1 NC2 NC3; J6#5 A8 B8 NC1 NC2 NC3; J6#6 A8 B8 NC1 NC2 NC3; J8 NC1 NC2; J8#2 NC1 NC2; J8#3 NC1 NC2; J8#4 NC1 NC2; J8#5 NC1 NC2; J8#6 NC1 NC2; U2 2 3 6 7; U2#2 2 3 6 7; U2#3 2 3 6 7; U2#4 2 3 6 7; U2#5 2 3 6 7; U2#6 2 3 6 7; U3 4; U3#2 4; U3#3 4; U3#4 4; U3#5 4; U3#6 4

## Via types
v1: diameter 0.56, hole 0.3, Top to Bottom, 1368 vias

## Routing (per net, layer and track width the routed paths; a pad name or vN(x,y) marks a point on that pad's centre or on a via; arc(x,y) is an arc through that point)
3.3V: length 322.6
  Top w0.178: JP1#3.2 v1(56.13,96.87) ; J8#6.2 133.05,41.13 v1(133.06,41.14) ; v1(56.38,45.39) R3#6.2 58.87,45.39 58.92,45.45 62.33,45.45 U1#3.8 ; U1#6.8 130.37,45.45 126.96,45.45 126.91,45.39 R3#5.2 v1(124.42,45.39) ; R7.2 v1(131.66,25.65) ; R8#2.2 v1(125.06,25.65) ; JP2#5.2 v1(131.53,107.41) ; R8.2 v1(57.01,25.65) ; v1(124.42,159.9) R3#3.2 126.91,159.9 C1#4.1 C6#3.1 130.37,159.94 U1#2.8 ; R8#4.2 v1(125.06,82.9) ; JP2#2.2 v1(131.53,164.66) ; R7#2.2 v1(131.66,82.9) ; JP2#4.2 v1(63.49,50.16) ; v1(56.38,159.9) R3.2 58.87,159.9 C1#5.1 C6#5.1 62.33,159.94 U1#5.8 ; J8.2 65.01,155.63 v1(65.02,155.64) ; JP1#4.2 v1(124.17,154.12) ; v1(65.02,41.14) 65.01,41.13 J8#5.2 ; JP1#2.2 v1(56.13,154.12) ; JP2#6.2 v1(63.49,107.41) ; R6#2.2 v1(133.56,25.65) ; v1(56.38,102.65) R3#2.2 58.87,102.65 C1#3.1 C6#4.1 62.33,102.7 U1.8 ; JP2.2 v1(131.53,50.16) ; U1#4.8 130.37,102.7 C6#6.1 C1.1 126.91,102.65 R3#4.2 v1(124.42,102.65) ; R8#6.2 v1(125.06,140.15) ; R6#5.2 v1(65.52,82.9) ; JP1#6.2 v1(124.17,96.87) ; JP2#3.2 v1(63.49,164.66) ; v1(133.06,155.64) 133.05,155.63 J8#2.2 ; R7#6.2 v1(131.66,140.15) ; R6#3.2 v1(65.52,140.15) ; v1(65.02,98.39) 65.01,98.38 J8#4.2 ; R6#4.2 v1(133.56,140.15) ; J8#3.2 133.05,98.38 v1(133.06,98.39) ; R6.2 v1(65.52,25.65) ; R8#3.2 v1(57.01,140.15) ; R7#5.2 v1(63.62,82.9) ; R8#5.2 v1(57.01,82.9) ; R7#4.2 v1(63.62,25.65) ; JP1#5.2 v1(124.17,39.62) ; R7#3.2 v1(63.62,140.15) ; JP1.2 v1(56.13,39.62) ; R6#6.2 v1(133.56,82.9)
  Top w0.305: C3#3.2 33.15,154.13 33.35,154.32 U2#2.1 ; C3#6.2 101.19,96.88 101.39,97.08 U2#3.1 ; C3#4.2 33.15,39.63 33.35,39.83 U2#5.1 ; U2.1 101.39,154.32 101.19,154.13 C3#5.2 ; U2#4.1 101.39,39.83 101.19,39.63 C3.2 ; C3#2.2 33.15,96.88 33.35,97.08 U2#6.1
  Top w0.406: J5#2.4 62.09,71.17 C7.1 ; C7#2.1 130.13,128.42 J5#4.4 ; 130.18,13.88 130.13,13.92 C7#4.1 ; J5#3.4 130.13,71.17 C7#6.1 ; J5#6.4 62.09,128.42 C7#5.1 ; 62.14,13.88 62.09,13.92 C7#3.1
  Top w0.559: v1(30.98,98.39) v1(32.25,98.39) C3#2.2 ; v1(26.03,11.8) 26.39,11.44 J2#3.1 ; C3#4.2 v1(32.25,41.14) v1(30.98,41.14) ; v1(94.07,69.05) 94.43,68.69 94.43,66.98 ; v1(114.77,41.52) 114.75,41.53 C15#4.1 C14#4.2 C13#5.1 114.75,47 114.26,47.49 114.26,49.39 113.68,49.98 J4#5.20 ; J4#3.1 26.39,158.2 v1(26.41,158.18) ; J2#6.1 94.43,11.44 v1(94.07,11.8) ; J4#2.20 45.64,49.98 46.22,49.39 46.22,47.49 46.72,47 46.72,41.53 v1(46.73,41.52) ; C3#6.2 v1(100.29,98.39) v1(99.02,98.39) ; v1(114.77,18.15) 114.75,18.14 C12#5.1 C11#5.2 C10#5.1 112.46,13.94 J2#6.20 ; C7.1 C9.2 C8#2.1 v1(59.05,78.96) ; C3.2 v1(100.29,41.14) v1(99.02,41.14) ; J2#4.20 44.42,128.44 46.72,128.44 46.72,132.64 v1(46.73,132.65) ; v1(94.45,158.18) 94.43,158.2 J4#4.1 ; v1(127.09,136.21) C8#6.1 C9#3.2 C7#2.1 ; v1(46.73,156.02) 46.72,156.03 46.72,161.5 46.22,161.99 46.22,163.9 45.64,164.47 J4#3.20 ; v1(26.03,69.05) 26.39,68.69 26.39,66.98 ; v1(114.77,75.4) 114.75,75.39 C12#6.1 C11#2.2 C10.1 112.46,71.19 J2#5.20 ; C7#3.1 C9#4.2 C8#5.1 v1(59.05,21.71) ; v1(59.05,136.21) C8#3.1 C9#6.2 C7#5.1 ; J4#6.20 113.68,107.22 114.26,106.65 114.26,104.74 114.75,104.25 C13.1 C14#3.2 C15#2.1 114.75,98.78 v1(114.77,98.77) ; J4#2.1 26.39,43.7 v1(26.41,43.68) ; v1(94.45,43.68) 94.43,43.7 J4#5.1 ; v1(46.73,75.4) 46.72,75.39 46.72,71.19 44.42,71.19 J2#2.20 ; J4#6.1 94.43,100.95 v1(94.45,100.93) ; J2.1 94.43,125.94 v1(94.07,126.3) ; J2#3.20 44.42,13.94 46.72,13.94 46.72,18.14 v1(46.73,18.15) ; v1(114.77,132.65) 114.75,132.64 C12.1 C11.2 C10#4.1 112.46,128.44 J2.20 ; J4.1 26.39,100.95 v1(26.41,100.93) ; C3#5.2 v1(100.29,155.64) v1(99.02,155.64) ; C3#3.2 v1(32.25,155.64) v1(30.98,155.64) ; v1(114.77,156.02) 114.75,156.03 C15#6.1 C14.2 C13#4.1 114.75,161.5 114.26,161.99 114.26,163.9 113.68,164.47 J4#4.20 ; v1(127.09,78.96) C8.1 C9#5.2 C7#6.1 ; v1(127.09,21.71) C8#4.1 C9#2.2 C7#4.1 ; J4.20 45.64,107.22 46.22,106.65 46.22,104.74 46.72,104.25 46.72,98.78 v1(46.73,98.77) ; J2#4.1 26.39,125.94 v1(26.03,126.3)
  In2.Cu w0.559: v1(100.29,41.14) v1(99.02,41.14) ; v1(32.25,98.39) v1(30.98,98.39) ; v1(32.25,155.64) v1(30.98,155.64) ; v1(100.29,155.64) v1(99.02,155.64) ; v1(32.25,41.14) v1(30.98,41.14) ; v1(100.29,98.39) v1(99.02,98.39)
5V: length 583
  Top w0.178: v1(39.87,82.52) 39.87,79.72 39.36,79.21 37.46,79.21 36.73,79.94 U3#2.1 ; U3#3.1 104.77,79.94 105.5,79.21 107.4,79.21 107.91,79.72 v1(107.91,82.52) ; v1(107.91,25.27) 107.91,22.47 107.4,21.96 105.5,21.96 104.77,22.69 U3#6.1 ; v1(39.87,139.77) 39.87,136.97 39.36,136.46 37.46,136.46 36.73,137.19 36.73,138.05 ; U3#5.1 36.73,22.69 37.46,21.96 39.36,21.96 39.87,22.47 v1(39.87,25.27) ; 104.77,138.05 104.77,137.19 105.5,136.46 107.4,136.46 107.91,136.97 v1(107.91,139.77)
  Top w0.305: U2#4.8 105.54,39.83 105.75,39.61 106.48,39.61 ; U2#2.8 37.5,154.32 37.72,154.11 38.44,154.11 ; U2.8 105.54,154.32 105.75,154.11 106.48,154.11 ; U2#3.8 105.54,97.08 105.75,96.86 106.48,96.86 ; 38.44,96.86 37.72,96.86 37.5,97.08 U2#6.8 ; 38.44,39.61 37.72,39.61 37.5,39.83 U2#5.8